# Altium PCB Sense2goL_V1.2.PcbDoc (continued)
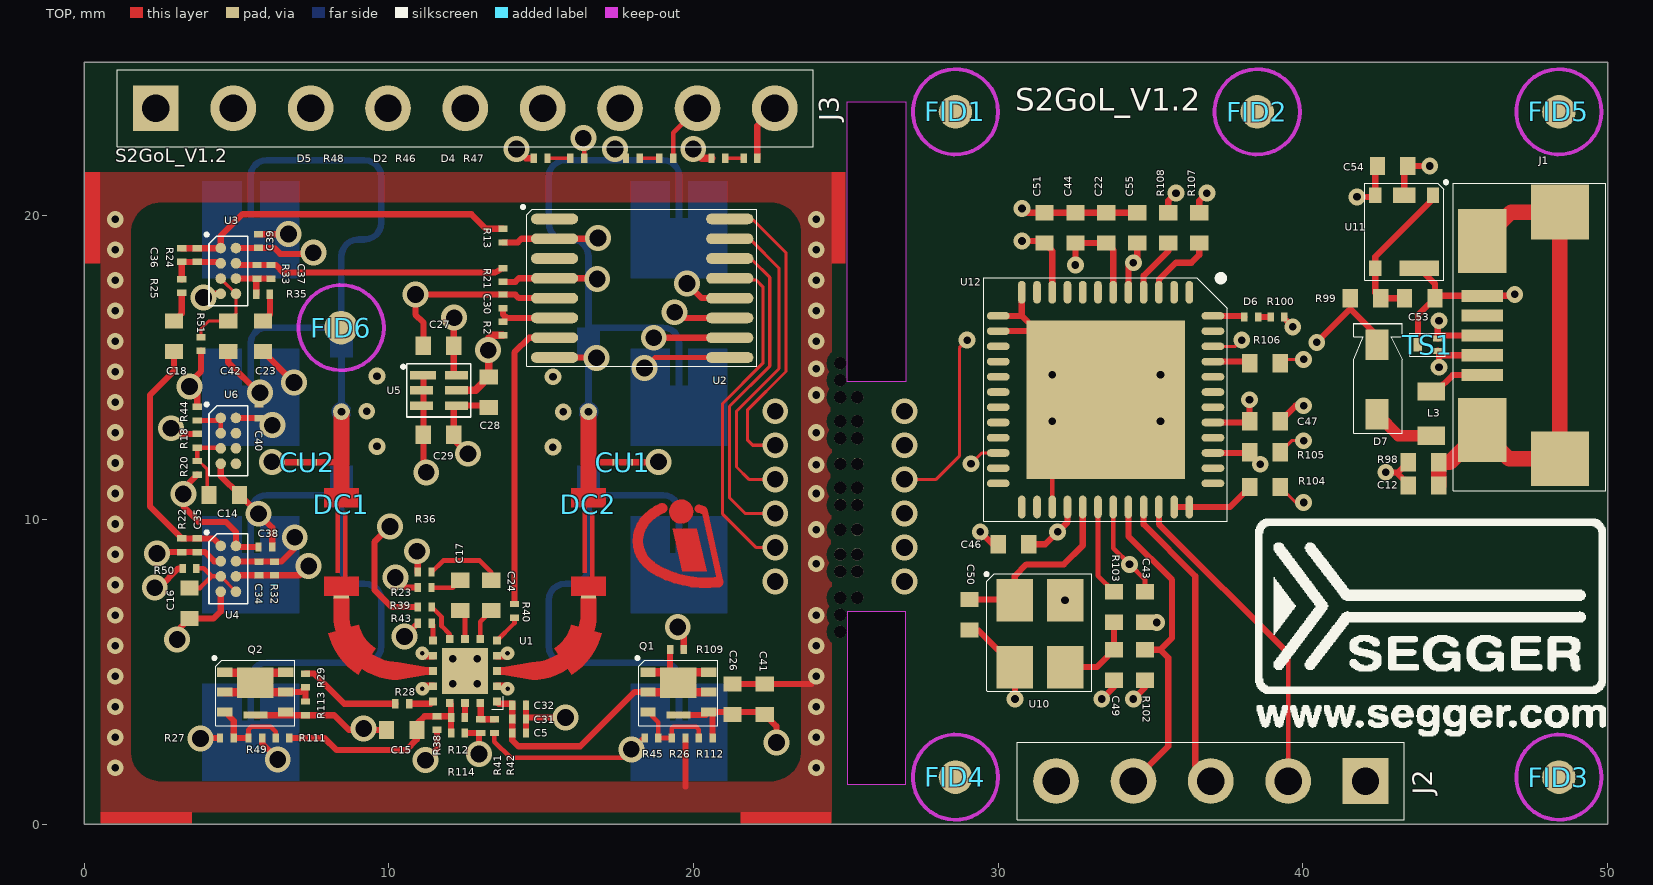
[diagram p0: TOP view]
## Footprints (in the part's own frame and the unit in brackets; to place one, negate y for a bottom-side part, rotate by r counter-clockwise, add the part's x,y. Pads: shape width x height; smd on the part's side, far side on the other; paste and mask are expansions set on the pad)
24GHZ_TRACE_8_78 [mil]
  rect 8x8 smd paste-40 mask+0: 1(0,0) 2(18,0)
  TOP region: -3.87,-4 22,-4 22,4 -3.87,4
0402_DURAC [mm] "0402_DURAC"
  rect 0.5x0.6 smd: 1(-0.5,0) 2(0.5,0)
  body extent -0.5,-0.3 0.5,0.3, height 0.2
0402_R [mm] "resistor 0402 reflow soldering"
  rect 0.5x0.6 smd: 1(-0.5,0) 2(0.5,0)
  body extent -0.5,-0.25 0.5,0.25, height 0.3
C_0201 [mm] "C_0201"
  rect 0.21x0.3 smd mask+0.051: 1(-0.225,0) 2(0.225,0)
  body extent -0.3,-0.15 0.3,0.15, height 0.3
CON_5PIN_254P [mm] "CON_5PIN_254P"
  rect 1.5x1.5 hole 0.9: 1(0,5.08)
  round 1.5 hole 0.9: 2(0,2.54) 3(0,0) 4(0,-2.54) 5(0,-5.08)
  silkscreen extent -1.27,-6.35 1.27,6.35, body extent -1.24,-6.35 1.25,6.35, height 8.54
CONN_9_90DEG_TH [mm] "CONN_9_90DEG_TH"
  rect 1.5x1.5 hole 0.9: 1(0,10.16)
  round 1.5 hole 0.9: 2(0,7.62) 3(0,5.08) 4(0,2.54) 5(0,0) 6(0,-2.54) 7(0,-5.08) 8(0,-7.62) 9(0,-10.16)
  silkscreen extent -1.27,-11.43 1.27,11.43, body extent -1.24,-11.43 1.25,11.43, height 8.54
DC_BLOCK_24GHZ [mm] "DC_BLOCK_24GHZ"
  round 0.55 hole 0.25: 1(3.045,0)
  rect 0.102x0.508 smd paste+0 mask+0: 2(-3.045,0)
  TOP region: -2.25,0.063 -0.093,0.063 -0.093,-0.57 0.535,-0.57 0.535,-0.255 3.045,-0.255 3.045,0.254 0.535,0.254 0.535,0.57 -0.093,0.57 -0.093,0.191 -2.25,0.19
  TOP region: -3.005,-0.57 -2.377,-0.57 -2.377,-0.191 -0.22,-0.191 -0.22,-0.064 -2.377,-0.064 -2.377,0.57 -3.005,0.57
ESD8VOL2B [mm] "ESD8VOL2B"
  rect 0.315x0.2 smd mask+0.051: 1(-0.336,0.2) 2(-0.336,-0.2)
  rect 0.275x0.45 smd mask+0.051: 3(0.313,0)
  silkscreen extent -0.58,-0.38 0.58,0.38, body extent -0.5,-0.3 0.5,0.3, height 0.5
FID_1.1mm [mm]
  round 1.1 smd paste-2.54 mask+1: 1(0,0)
  TOP keep-out circle w0.127: c0,0 r1.4
INF-PG-SCT595V [mm] "INF-PG-SCT595V"
  rect 0.4x0.5 smd: 1(-0.95,-1.2) 3(0.95,-1.2) 4(0.95,1.2)
  rect 0.75x0.5 smd: 2(0,-1.2)
  rect 1.3x0.5 smd: 5(-0.5,1.2)
  silkscreen extent -1.42,-1.68 1.3,1.6, body extent -1.14,-0.76 1.14,0.76, height 0.64
INF-PG-TSSOP-16-8_N [mm] "INF-PG-TSSOP-16-8_N"
  oval 1.55x0.35 smd mask+0.051: 1(-2.875,2.275) 2(-2.875,1.625) 3(-2.875,0.975) 4(-2.875,0.325) 5(-2.875,-0.325) 6(-2.875,-0.975) 7(-2.875,-1.625) 8(-2.875,-2.275) 9(2.875,-2.275) 10(2.875,-1.625) 11(2.875,-0.975) 12(2.875,-0.325) 13(2.875,0.325) 14(2.875,0.975) 15(2.875,1.625) 16(2.875,2.275)
  silkscreen extent -3.96,-2.57 3.76,2.72, body extent -3.05,-2.29 3.05,2.41, height 0.64
INF-PG-VQFN-48-_-5200X5200TP_N [mm] "INF-PG-VQFN-48-_-5200X5200TP_N"
  oval 0.75x0.25 smd mask+0.051: 1(-3.525,2.75) 2(-3.525,2.25) 3(-3.525,1.75) 4(-3.525,1.25) 5(-3.525,0.75) 6(-3.525,0.25) 7(-3.525,-0.25) 8(-3.525,-0.75) 9(-3.525,-1.25) 10(-3.525,-1.75) 11(-3.525,-2.25) 12(-3.525,-2.75) 25(3.525,-2.75) 26(3.525,-2.25) 27(3.525,-1.75) 28(3.525,-1.25) 29(3.525,-0.75) 30(3.525,-0.25) 31(3.525,0.25) 32(3.525,0.75) 33(3.525,1.25) 34(3.525,1.75) 35(3.525,2.25) 36(3.525,2.75)
  oval 0.25x0.75 smd mask+0.051: 13(-2.75,-3.525) 14(-2.25,-3.525) 15(-1.75,-3.525) 16(-1.25,-3.525) 17(-0.75,-3.525) 18(-0.25,-3.525) 19(0.25,-3.525) 20(0.75,-3.525) 21(1.25,-3.525) 22(1.75,-3.525) 23(2.25,-3.525) 24(2.75,-3.525) 37(2.75,3.525) 38(2.25,3.525) 39(1.75,3.525) 40(1.25,3.525) 41(0.75,3.525) 42(0.25,3.525) 43(-0.25,3.525) 44(-0.75,3.525) 45(-1.25,3.525) 46(-1.75,3.525) 47(-2.25,3.525) 48(-2.75,3.525)
  rect 5.2x5.2 smd mask+0.051: 49(0,0)
  silkscreen extent -4.09,-4 4,4, body extent -3.56,-3.56 3.56,3.56, height 0.64
IRLSH2242 [mm] "IRLSH2242"
  rect 0.5x0.3 smd mask+0.051: 1(-0.977,0.678) 2(-0.977,0.028) 3(-0.977,-0.622) 4(1.023,-0.622) 5(1.023,0.028) 6(1.023,0.678)
  rect 1.2x1 smd mask+0.051: 7(0.023,0.328)
  rect 0.785x0.23 smd mask+0.051: 8(0.023,-0.722)
  silkscreen extent -1.37,-1.07 1.32,1.19, body extent -0.98,-0.97 1.02,1, height 0.8
L_0603 [mm] "L_0603"
  rect 0.6x0.9 smd mask+0.051: 1(-0.725,0) 2(0.725,0)
  body extent -0.87,-0.47 0.88,0.48, height 0.85
LED_0201 [mm] "LED_0201"
  rect 0.21x0.3 smd mask+0.051: 1(0.225,0) 2(-0.225,0)
  body extent -0.3,-0.15 0.3,0.15, height 0.13
MICRO_AB_ZX62 [mm] "MICRO_AB_ZX62"
  rect 1.6x2.1 smd: 0(-1.375,-3.075) 0(-1.375,3.125)
  rect 1.9x1.8 smd: 0(1.175,-4.025) 0(1.175,4.075)
  rect 1.35x0.4 smd: 1(-1.375,-1.275) 2(-1.375,-0.625) 3(-1.375,0.025) 4(-1.375,0.675) 5(-1.375,1.325)
  silkscreen extent -2.33,-5.07 2.67,5.03, body extent -2.07,-4.35 3.56,4.45, height 2.75
NX3225SA [mm] "NX3225SA"
  rect 1.2x1.4 smd: 1(-0.825,1.105) 2(-0.825,-1.095) 3(0.825,-1.095) 4(0.825,1.105)
  silkscreen extent -1.8,-1.89 1.69,2.01, body extent -1.25,-1.6 1.25,1.6, height 0.81
OPA2376_DSBGA [mm] "OPA2376_DSBGA"
  round 0.35 smd mask+0.051: A1(-0.25,0.75) A2(0.25,0.75) B1(-0.25,0.25) B2(0.25,0.25) C1(-0.25,-0.25) C2(0.25,-0.25) D1(-0.25,-0.75) D2(0.25,-0.75)
  silkscreen extent -0.76,-1.14 0.64,1.24, body extent -0.61,-1.14 0.64,1.12, height 0.25
R_0201 [mm] "R_0201"
  rect 0.21x0.3 smd mask+0.051: 1(-0.225,0) 2(0.225,0)
  body extent -0.3,-0.15 0.3,0.15, height 0.13
SOD323 [mm] "SOD323"
  rect 1.01x0.75 smd: 1(1.143,0)
  rect 1.01x0.75 smd mask+0.102: 2(-1.143,0)
  silkscreen extent -1.84,-0.77 1.76,0.83, body extent -1.3,-0.67 1.3,0.68, height 1.1
TLV7113333 [mm] "TLV7113333"
  rect 0.85x0.28 smd mask+0.051: 1(-0.525,0.5)
  rect 0.75x0.28 smd mask+0.051: 2(-0.575,0) 3(-0.575,-0.5) 4(0.575,-0.5) 5(0.575,0) 6(0.575,0.5)
  silkscreen extent -1.22,-0.88 1.05,0.87, body extent -0.75,-0.75 0.75,0.75, height 0.8
TSNP-16-9 [mm] "TSNP-16-9"
  rect 0.25x0.25 smd mask+0.051: 1(0,0) 2(0,-0.5) 3(0,-1) 4(0,-1.5) 5(0,-2) 6(0.55,-2.05) 7(1.05,-2.05) 8(1.55,-2.05) 9(2.1,-2) 10(2.1,-1.5) 11(2.1,-1) 12(2.1,-0.5) 13(2.1,0) 14(1.55,0.05) 15(1.05,0.05) 16(0.55,0.05)
  rect 1.5x1.5 smd mask+0.051: 17(1.05,-1)
  silkscreen extent -0.21,-0.17 0.17,0.26, body extent -0.17,-2.22 2.27,0.22, height 0.38

## Part data
C5 C12 C14 C15 C16 C18 C22 C23 C24 C26 C30 C31 C32 C34 C35 C36 C37 C38 C39 C40 C41 C42 C43 C44 C46 C47 C49 C50 C51 C53 C54 C55: "Capacitor", LatestRevisionDate=17-Jul-2002, LatestRevisionNote="Re-released for DXP Platform.", PackageReference=RAD-0.3, Published=8-Jun-2000, Publisher="Altium Limited"
  C18 C23 C24 C34 C35 C36 C37: PackageDescription="Radial Cap, Thru-Hole; 2 Leads; 0.3 in Pin Spacing"
C17: library part Cap, "Capacitor", LatestRevisionDate=17-Jul-2002, LatestRevisionNote="Re-released for DXP Platform.", PackageDescription="Radial Cap, Thru-Hole; 2 Leads; 0.3 in Pin Spacing", PackageReference=RAD-0.3, Published=8-Jun-2000, Publisher="Altium Limited"
C27 C28: library part CAP, "Ceramic Capacitor X5R/X7R >= 10V", Dielectric=X5R, Manufacturer=TDK, Bestellnummer=2309028, Link=http://de.farnell.com/tdk/c1608x5r1a106m080ac/kondensator-mlcc-x5r-10uf-10v/dp/2309028, Price=0.44
C29: library part Cap, "Capacitor", Dielectric=X5R, Manufacturer=TDK, Bestellnummer=2346884RL, Link=http://de.farnell.com/tdk/c1005x5r1e105k050bc/kondensator-mlcc-x5r-1uf-25v-0402/dp/2346884RL?ost=2346884RL, Price=0.07
CU1 CU2: library part 24G_Trace, FootprintBOM=-, Preis=0.0
D2 D4 D5 D6: "Typical INFRARED GaAs LED", LatestRevisionDate=08-Jul-2005, LatestRevisionNote="Mech Layer 1 removed.", PackageReference=LED-0, Published=8-Jun-2000, Publisher="Altium Limited"
D7: library part Diode, "Default Diode", PackageDocument=Sep-1996, Code_JEDEC=DO-214-AB, LatestRevisionDate=17-Jul-2002, LatestRevisionNote="Re-released for DXP Platform.", PackageReference=SMC, Published=8-Jun-2000, Publisher="Altium Limited"
FID1 FID2 FID3 FID4 FID5 FID6: library part FID, FootprintBOM="Fiducal 1.1mm", Notes=Fiducial
J1: library part "USB Micro AB", "USB Micro AB", FootprintBOM=SMD, Hersteller=Hirose, Kleinmengendistributor=Digi-Key, KleinmengendistributorBestellnummer=H11611CT-ND, Preis=1.59
J2: "Header, 5-Pin", LatestRevisionDate=17-Jul-2002, LatestRevisionNote="Re-released for DXP Platform.", Publisher="Altium Limited"
J3: "Header, 9-Pin", LatestRevisionDate=17-Jul-2002, LatestRevisionNote="Re-released for DXP Platform.", Publisher="Altium Limited"
L3: library part "Ferrite Bead"
Q2: library part IRLHS8242PbF, "IRFHS8242PbF", ComponentLink1Description="Manufacturer Link", ComponentLink1URL=http://www.irf.com/, ComponentLink2Description=Datasheet, ComponentLink2URL=http://www.irf.com/product-info/datasheets/data/irlr120n.pdf, DatasheetVersion=May-1998, LatestRevisionDate=17-Jul-2002, LatestRevisionNote="Re-released for DXP Platform.", Note="Pin 2 is electrically connected to pin 4.", PackageDescription="TO, Thru-Hole, Vertical, Heatsink Mounted; 3 In-Line Leads; Pitch 2.28 mm", PackageReference=TO-251AA, Published=8-Jun-2000, Publisher="Altium Limited"
R2 R12 R13 R18 R20 R21 R22 R23 R24 R25 R26 R32 R33 R35 R36 R41 R44 R45 R46 R47 R48 R50 R51 R98 R99 R100 R102 R103 R104 R105 R106 R107 R108: "Resistor", LatestRevisionDate=17-Jul-2002, LatestRevisionNote="Re-released for DXP Platform.", PackageReference=AXIAL-0.3, Published=8-Jun-2000, Publisher="Altium Limited"
  R22 R23 R24 R25 R32 R33 R35 R36: PackageDescription="Axial Device, Thru-Hole; 2 Leads; 0.3 in Pin Spacing"
R27 R28 R29 R38 R39 R40 R42 R43 R49 R109 R111 R112 R113 R114: library part Res1, "Resistor", LatestRevisionDate=17-Jul-2002, LatestRevisionNote="Re-released for DXP Platform.", PackageReference=AXIAL-0.3, Published=8-Jun-2000, Publisher="Altium Limited"
TS1: library part "Diode dual", "TVS Diode dual", FootprintBOM=TSLP-3-1, Hersteller=Infineon, Kleinmengendistributor=Digi-Key, KleinmengendistributorBestellnummer=ESD8V0L2B-03LE6327INCT-ND, Preis=0.56
U2: library part "XMC1302-T016F-0016 AA", code_DK=XMC1302T016X0032ABXUMA1CT-ND
U5: "Dual Output High PSRR LDO, 200 mA, Fixed 3.3 V Output, 2 to 5.5 V Input, 6-pin WSON (DSE), -40 to 125 degC, Green (RoHS & no Sb/Br)", Manufacturer="Texas Instruments", Supplier Part Number 1=296-28766-2-ND, ComponentLink1Description="Manufacturer URL", ComponentLink1URL=http://www.ti.com/, ComponentLink2Description=Datasheet, ComponentLink2URL=http://www.ti.com/general/docs/lit/getliterature.tsp?genericPartNumber=TLV7113333D&fileType=pdf, ComponentLink3Description="Package Specification", ComponentLink3URL=http://www.ti.com/litv/pdf/mpds287, DatasheetVersion=SBVS142A, Eco-Plan="Green (RoHS & no Sb/Br)", Fixed Output Options(V)=3.3, Iout(Max)(A)=0.2, Iq(Typ)(mA)=0.03, Mounting Technology="Surface Mount", PackageDescription="6-Pin Plastic Small Outline, Body 1.5 x 1.5 mm, Pitch 0.5 mm", PackageReference=DSE6, PackageVersion=4207810/A, PartNumber=TLV7113333DDSET, SubFamily="Dual Channel LDO", Supplier 1=Digi-Key, Supplier 2=Digi-Key, Supplier 3=Digi-Key, Supplier 4=Mouser, Supplier Part Number 2=296-28766-1-ND, Supplier Part Number 3=296-28766-6-ND, Supplier Part Number 4=595-TLV7113333DDSET, Vdo(Typ)(mV)=150, Vin(Max)(V)=5.5, Vin(Min)(V)=2
U10: library part NX3225SA_12MHZ, code_DK=644-1128-2-ND
U12: library part XMC4200_VQFN48, code_DK=XMC4200Q48K256ABXUMA1CT-ND
DC1 DC2: FootprintBOM=-, Preis=0.00
Q1: ComponentLink1Description="Manufacturer Link", ComponentLink1URL=http://www.irf.com/, ComponentLink2Description=Datasheet, ComponentLink2URL=http://www.irf.com/product-info/datasheets/data/irlr120n.pdf, DatasheetVersion=May-1998, LatestRevisionDate=17-Jul-2002, LatestRevisionNote="Re-released for DXP Platform.", Note="Pin 2 is electrically connected to pin 4.", PackageDescription="TO, Thru-Hole, Vertical, Heatsink Mounted; 3 In-Line Leads; Pitch 2.28 mm", PackageReference=TO-251AA, Published=8-Jun-2000, Publisher="Altium Limited"
U3 U4 U6: ComponentLink1Description="Manufacturer Link", ComponentLink1URL=http://www.ti.com/, ComponentLink2Description=Datasheet, ComponentLink2URL=http://www-s.ti.com/sc/ds/opa2544.pdf, DatasheetVersion=1996~1997, LatestRevisionDate=17-Jul-2002, LatestRevisionNote="Re-released for DXP Platform.", PackageDescription="Oval Flange Mount; 8 Leads; Pin Circle Dia. 12.7 mm; Lead Dia. 1.07 mm (max)", PackageReference=ZZ030, PackageVersion=revC, Published=8-Jun-2000, Publisher="Altium Limited"
U11: code_DK=NN, code_MO=726-IFX54211MBV33HTM

## Free pads (board coordinates)
  round 0.4 hole 0.4: ""(24.816,6.325) ""(24.816,6.883) ""(24.816,7.442) ""(24.816,8.306) ""(24.816,8.865) ""(24.816,9.672) ""(24.816,10.49) ""(24.816,11.049) ""(24.816,11.836) ""(24.816,12.675) ""(24.816,13.233) ""(24.816,14.021) ""(24.816,14.58) ""(24.816,15.138) ""(25.375,7.442) ""(25.375,8.306) ""(25.375,8.865) ""(25.375,9.677) ""(25.375,10.49) ""(25.375,11.049) ""(25.375,11.836) ""(25.375,12.675) ""(25.375,13.233) ""(25.375,14.021)

## Via types
v1: diameter 0.55, hole 0.25, TOP to BOTTOM, 82 vias
v2: diameter 0.85, hole 0.55, TOP to L4, 58 vias
v3: diameter 0.45, hole 0.15, TOP to BOTTOM, 4 vias

## Nets (pads, with @x,y where several pads share a name; then routed paths per layer and width w, separated by ;. In a path a pad name is that pad's centre, name@x,y a point inside that pad or via, vN(x,y) a via of type N, cw(c..) or ccw(c..) an arc to the next point about the centre after c; other vN are vias at no path point)
1V65: R44.2 R50.1 R51.1 | length 11.3
  TOP w0.203: v2(2.311,7.772) 2.459,7.772 3.09,8.403 R50.1 ; R44.2 3.708,14.122 v2(3.454,14.376) 3.454,14.503 3.835,14.884 R51.1
  L3 w0.203: v2(2.311,7.772) 2.311,8.042 1.734,8.619 1.734,13.469 2.642,14.376 v2(3.454,14.376)
3V3: C26.2 C27.1 C38.1 C39.1 C40.1 C41.2 Q1.4 Q1.8 R20.2 R41.1 R43.2 R109.1 R112.1 R114.1 U3.A2 U4.A2 U5.6 U6.A2 | length 17.9
  TOP w0.203: R20.2 3.251,11.023 v2(3.251,10.846) 3.251,10.439 3.759,9.931 4.648,9.931 4.978,9.601 U4.A2 5.013,9.107 C38.1 ; U6.A2 4.984,13.339 C40.1 5.94,13.339 v2(6.172,13.106) ; U3.A2 4.985,18.927 C39.1 6.235,18.927 6.435,18.727 7.474,18.727 v2(7.518,18.771) ; v2(10.516,6.169) R43.2 ; v2(12.141,16.637) 12.131,16.627 C27.1 12.131,14.836 U5.6 ; R114.1 R41.1@13.01,2.997 ; v2(12.954,2.311) 12.954,2.941 R41.1@13.01,2.997 ; R41.1 R41.1@13.01,2.997 ; v2(19.482,6.477) 19.681,6.277 R109.1 ; Q1.8 20.402,3.593 Q1.4 ; R112.1 20.626,3.57 Q1.4 ; v2(22.721,2.692) 22.721,3.224 C41.2 22.252,3.693 Q1.4
+VCC_DBGUP: C46.2 C47.2 C51.2 C54.2 C55.2 J2.1 R100.1 R102.1 U11.3 U12.5 U12.10 U12.28 U12.41 | length 11.2
  TOP w0.203: v1(30.785,19.152) 31.453,19.152 31.778,18.827 U12.10 ; C46.2 31.547,9.195 v1(31.953,9.601) 32.278,9.926 U12.28 ; U12.5 34.278,18.44 v1(34.442,18.44) 34.569,18.44 C55.2 ; v1(34.442,4.115) 34.823,4.496 R102.1 ; U12.41 38.222,13.195 38.252,13.225 v1(38.252,13.945) ; R100.1 39.395,16.612 v1(39.675,16.332) ; v1(41.783,20.599) 42.325,20.599 U11.3 42.382,21.546 C54.2
+VCC_DBGUP_EXT: C29.1 D7.2 J3.3 R99.2 U5.1 U5.2 U5.3 | length 50.7
  TOP w0.203: U5.1 11.131,14.736 C29.1 11.131,11.653 v2(11.227,11.557) ; v1@40.64,16.002 41.562,16.924 42.443,16.043 D7.2
  L3 w0.102: v2(22.682,13.564) 22.73,13.611 26.876,13.611 v2(26.924,13.564)
  L3 w0.203: v2(26.924,13.564) 29.616,13.564 29.997,13.945 36.957,13.945 38.786,15.773 40.411,15.773 v1(40.462,15.824)
  L4 w0.203: J3.3 8.915,22.023 8.915,17.577 11.227,15.265 v2(11.227,11.557) 11.271,11.513 15.983,11.513 18.034,13.564 v2(22.682,13.564)
DBG_RESET: J2.4 R102.2 U12.32 | length 10.8
  TOP w0.203: U12.32 34.278,9.461 35.712,8.026 35.712,6.121 35.323,5.732 ; J2.4 35.585,2.565 35.585,5.47 35.323,5.732 ; R102.2 35.323,5.732
DBG_TCK: J2.2 U12.34 | length 10.8
  TOP w0.152: J2.2 39.522,5.613
  TOP w0.203: U12.34 35.278,9.858 39.522,5.613
DBG_TMS: J2.3 U12.33 | length 9.9
  TOP w0.203: U12.33 34.778,9.85 36.474,8.153 36.474,1.93 J2.3
DIV_OUT: J3.1 R39.1 | length 24.9
  TOP w0.203: v2(10.033,9.779) 9.525,9.271 9.525,7.696 10.084,7.137 R39.1
  L3 w0.203: J3.1 2.349,22.34 3.556,21.133 7.62,21.133 8.28,20.472 8.28,17.856 7.713,17.289 7.713,10.219 8.153,9.779 v2(10.033,9.779) v2@10.113,9.859
GND: C5.2 C12.2 C14.2 C15.1 C16.1 C22.2 C26.1 C27.2 C28.2 C29.2 C30.2 C31.2 C32.2 C38.2 C39.2 C40.2 C41.1 C42.1 C43.1 C44.1 C46.1 C47.1 C49.2 C50.2 C51.1 C53.2 C54.1 C55.1 CU1.2 CU2.2 J1.5 J2.5 J3.2 Q2.4 Q2.8 R18.1 R26.1 R27.1 R98.1 R113.1 TS1.3 U1.2 U1.4 U1.10 U1.12 U1.17 U2.5 U3.D1 U4.D1 U5.4 U6.D1 U10.2 U10.4 U11.2 U11.5 U12.12 U12.13 U12.14 U12.27 U12.49 | length 71.1
  TOP w0.152: U12.27 31.778,11.326 31.775,11.328 31.775,12.192 U12.49
  TOP w0.203: v2(2.845,13.005) 3.03,12.819 R18.1 ; v2(3.048,6.071) 3.048,6.354 C16.1 4.246,6.76 4.479,6.993 U4.D1 ; v2(3.81,2.819) 3.826,2.836 R27.1 ; v2(3.912,17.297) 4.035,17.42 U3.D1 ; U6.D1 4.479,11.435 C14.2 6.169,9.745 C38.2 ; C42.1 4.724,15.164 5.74,14.148 C40.2 ; Q2.8 5.622,3.585 R113.1 8.201,3.585 8.686,3.099 C15.1 ; C39.2 6.702,19.377 v2(6.706,19.38) ; v2(6.156,11.904) 6.172,11.887 CU2.2 ; C27.2 11.131,16.479 10.871,16.739 v2(10.871,17.399) 11.728,17.399 11.731,17.395 C30.2 14.151,17.395 14.27,17.277 U2.5 ; U1.17@12.087,4.626 U1.17 ; U1.17@12.094,5.439 U1.17 ; v2(12.598,12.167) 12.131,12.634 C29.2 12.131,13.663 U5.4 13.222,13.749 C28.2 ; U1.17@12.906,4.626 U1.17 ; U1.17@12.997,5.535 U1.17 ; C5.2@14.5,3.048 C31.2@14.5,3.505 ; C32.2@14.5,3.962 C31.2@14.5,3.505 ; v2(15.799,3.505) C31.2@14.5,3.505 ; CU1.2 18.83,11.887 v2(18.847,11.904) ; 19.737,1.246 R26.1 ; C26.1 C41.1 23.864,4.611 ; C50.2 29.327,6.383 30.556,5.154 v1(30.556,4.115) ; v1(29.413,9.601) 29.82,9.195 C46.1 ; U12.14 U12.49@31.278,16.195 ; U12.13 30.778,16.695 ; U12.12 30.778,16.695 ; v1(30.785,20.218) 30.785,20.083 C51.1 C44.1 C22.2 C55.1 ; v1(33.401,4.115) 33.807,4.521 C49.2 ; U12.49 U12.49@31.278,16.195 ; C47.1 39.768,13.741 v1(40.03,13.741) ; v1(42.723,11.557) 43.086,11.557 43.112,11.532 ; U11.2 43.332,21.496 C54.1 v1(44.171,21.615) ; C12.2 43.467,11.176 43.112,11.532 ; R98.1 43.112,11.532 ; TS1.3 43.781,16.713 C53.2 ; U11.5 44.34,17.748 C53.2 ; v1(46.965,17.399) 46.918,17.352 J1.5 44.421,17.352 C53.2 ; 30.778,16.695 U12.49@31.278,16.195
  TOP w0.25: v3(11.097,5.618) 11.18,5.535 U1.10 ; v3(11.1,4.451) 11.184,4.535 U1.12 ; U1.2 13.816,4.535 v3(13.896,4.455) ; U1.4 13.813,5.535 v3(13.894,5.616)
  L3 w0.203: v2(22.682,7.976) 24.028,7.976 24.13,7.874 26.822,7.874 v2(26.924,7.976)
  other v1: 1.016,1.863 24.028,1.863 1.016,2.863 24.028,2.863 1.016,3.863 24.028,3.863 12.09,4.623 12.903,4.623 1.016,4.863 24.028,4.863 12.09,5.436 12.903,5.436 1.016,5.863 24.028,5.863 35.204,6.629 1.016,6.863 24.028,6.863 32.197,7.363 1.016,7.863 24.028,8.56 1.016,8.863 24.028,9.677 1.016,9.863 1.016,10.863 24.028,10.863 24.028,11.811 1.016,11.863 15.385,12.388 9.607,12.41 1.016,12.863 24.028,12.863 31.775,13.233 35.331,13.233 15.723,13.542 9.271,13.564 1.016,13.863 24.028,14.097 9.609,14.718 15.387,14.696 31.775,14.757 35.331,14.757 1.016,14.863 24.028,14.961 1.016,15.863 24.028,15.863 1.016,16.863 24.028,16.863 1.016,17.863 24.028,17.863 1.016,18.863 24.028,18.863 1.016,19.863 24.028,19.863
  other v2: 9.17,3.15 5.715,10.199 5.766,14.173
IF_I_HG: J3.5 R13.2 U2.2 | length 10.6
  TOP w0.203: R13.2 14.228,19.104 14.35,19.227 U2.2 16.84,19.227 v2(16.866,19.253)
  L3 w0.203: J3.5 12.509,21.222 13.437,20.295 15.824,20.295 v2(16.866,19.253)
IF_Q_HG: J3.6 R21.2 U2.4 | length 10.1
  TOP w0.203: R21.2 14.151,17.809 14.27,17.927 U2.4 16.82,17.927 v2(16.84,17.907)
  L3 w0.203: J3.6 15.049,22.213 17.551,19.71 17.551,18.517 16.942,17.907 v2(16.84,17.907)
IFI: C17.1 U1.7 | length 1
  TOP w0.152: C17.1 12.497,6.866 U1.7
IFQ: C24.1 U1.6 | length 1.1
  TOP w0.152: U1.6 12.997,6.655 C24.1
NetC5_1: C5.1 C31.1 C32.1 Q1.1 Q1.2 Q1.5 Q1.6 Q1.7 R109.2 U1.1 | length 12.3
  TOP w0.203: U1.1 ccw(c13.62,4.035) 13.62,3.962 14.05,3.962 14.05,2.765 14.249,2.565 16.281,2.565 18.059,4.343 Q1.2 ; Q1.7@19.152,4.993 19.231,5.072 R109.2
  TOP w0.279: Q1.2 19.202,4.343 Q1.7 ; Q1.1 19.152,4.993 Q1.7 ; Q1.5 19.802,4.343 Q1.7 ; Q1.6 19.852,4.993 Q1.7
NetC12_1: C12.1 J1.0 R98.2 | length 16.6
  TOP w0.508: C12.1 R98.2 44.829,11.887 J1.0@45.894,12.952 ; J1.0@45.894,12.882 46.774,12.002 48.444,12.002 48.444,20.102 46.844,20.102 J1.0@45.894,19.152
NetC14_1: C14.1 R18.2 R20.1 U6.C1 | length 2.5
  TOP w0.102: R20.1 3.765,11.93 4.036,11.659 4.036,10.878 C14.1
  TOP w0.152: R20.1 R18.2 4.454,12.369 U6.C1
NetC15_2: C15.2 R12.1 R38.2 R111.2 R114.2 U1.14 | length 7.3
  TOP w0.203: R111.2 7.883,2.836 8.28,2.438 10.566,2.438 10.919,2.791 C15.2 10.919,3.299 11.172,3.552 R38.2 11.996,3.552 cw(c11.996,3.505) R12.1 ; U1.14 cw(c11.997,3.939) 12.043,3.939 R12.1 ; R114.2 R12.1
NetC16_2: C16.2 R50.2 U4.C1 U4.D2 | length 2.5
  TOP w0.102: U4.C1 U4.D2@4.978,7.642
  TOP w0.152: C16.2 3.796,7.76 4.177,8.142 ; R50.2 3.916,8.403 4.177,8.142 ; U4.C1 4.177,8.142
NetC17_2: C17.2 R23.1 | length 1
  TOP w0.152: R23.1 12.098,7.772 C17.2
NetC18_1: C18.1 C35.2 R22.2 U4.A1 | length 8.3
  TOP w0.203: C18.1 2.946,14.888 2.159,14.101 2.159,10.432 R22.2 C35.2 4.23,9.39 U4.A1
NetC18_2: C18.2 R25.1 | length 1
  TOP w0.203: C18.2 3.2,16.777 3.2,16.904 R25.1
NetC22_1: C22.1 C43.2 C44.2 U12.6 U12.31 | length 18.1
  TOP w0.152: U12.31 33.778,9.072 v1(34.315,8.534) 34.823,8.026 C43.2
  TOP w0.203: v1(32.537,18.364) C44.2 C22.1 33.778,18.859 U12.6
  L4 w0.203: v1(32.537,18.364) 32.537,8.788 32.791,8.534 v1(34.315,8.534)
NetC23_1: C23.1 C34.2 R32.2 U4.B2 | length 9
  TOP w0.203: U4.B2 4.991,8.628 C34.2 R32.2 6.469,8.628 6.909,9.068 v2(6.909,9.423) ; C23.1 v2(6.883,14.507)
  L3 w0.203: v2(6.883,14.507) 6.909,14.482 v2(6.909,9.423)
NetC23_2: C23.2 R35.1 | length 1
  TOP w0.203: C23.2 6.092,16.748 R35.1
NetC24_2: C24.2 R36.1 | length 2.5
  TOP w0.152: R36.1 11.778,8.661 12.979,8.661 13.36,8.28 C24.2
NetC30_1: C30.1 R2.2 U2.6 | length 2.1
  TOP w0.203: R2.2 13.862,16.627 ; C30.1 13.741,16.748 13.862,16.627 ; U2.6 13.862,16.627
NetC34_1: C34.1 R32.1 R36.2 U4.C2 | length 7
  TOP w0.203: U4.C2 5.015,8.178 C34.1 R32.1 7.061,8.178 v2(7.366,8.484) ; v2(10.922,8.966) 10.947,8.941 R36.2
  L3 w0.203: v2(7.366,8.484) 7.849,8.966 v2(10.922,8.966)
NetC35_1: C35.1 R22.1 R23.2 U4.B1 | length 11.5
  TOP w0.203: v2(2.388,8.89) 2.438,8.94 R22.1 C35.1 3.963,8.94 4.262,8.641 U4.B1 ; v2(10.211,8.103) 10.541,7.772 R23.2
  L3 w0.203: v2(2.388,8.89) 3.48,7.798 9.906,7.798 v2(10.211,8.103)
NetC36_1: C36.1 R24.1 R25.2 U3.B1 | length 1.9
  TOP w0.203: R25.2 C36.1 R24.1 4.434,18.465 U3.B1
NetC36_2: C36.2 R13.1 R24.2 U3.A1 | length 11.4
  TOP w0.203: C36.2 R24.2 4.473,18.915 U3.A1 4.479,19.322 5.19,20.034 12.707,20.034 13.186,19.554 R13.1
NetC37_1: C37.1 R33.1 R35.2 U3.C2 | length 1.7
  TOP w0.203: U3.C2 6.121,17.921 C37.1 ; R35.2 5.642,17.89 R33.1
NetC37_2: C37.2 R21.1 R33.2 U3.B2 | length 8.9
  TOP w0.203: U3.B2 5.032,18.366 R33.2 C37.2 6.287,18.366 6.536,18.117 13.471,18.117 R21.1
NetC42_2: C42.2 R51.2 U3.C1 U3.D2 | length 3
  TOP w0.102: R51.2 3.835,16.281 4.077,16.523 C42.2 4.978,16.777 U3.D2 U3.C1@4.5,17.899
NetC49_1: C49.1 R103.1 U10.3 | length 2.8
  TOP w0.203: U10.3 33.238,5.163 C49.1 R103.1
NetC50_1: C50.1 U10.1 U12.29 | length 6.2
  TOP w0.203: C50.1 30.527,7.383 U10.1 30.547,8.153 30.928,8.534 32.156,8.534 32.778,9.156 U12.29
NetC53_1: C53.1 R99.1 U11.1 U11.4 | length 5
  TOP w0.203: C53.1 R99.1 42.382,17.452 U11.4 42.382,18.633 44.282,20.533 U11.1
NetD2_2: D2.2 R46.1 | length 0.6
  TOP w0.102: D2.2 R46.1
NetD4_2: D4.2 R47.1 | length 0.6
  TOP w0.102: D4.2 R47.1
NetD5_2: D5.2 R48.1 | length 0.8
  TOP w0.102: D5.2 R48.1
NetD6_1: D6.1 R100.2 | length 0.4
  TOP w0.203: D6.1 38.937,16.654 R100.2
NetD6_2: D6.2 U12.48 | length 1
  TOP w0.203: U12.48 38.045,16.695 D6.2
NetD7_1: D7.1 L3.1 | length 2.1
  TOP w0.381: D7.1 43.143,12.762 L3.1
NetDC1_2: DC1.2 U1.11 | length 0.4
  TOP w0.25: 11.074,5.035 U1.11
NetDC2_2: DC2.2 U1.3 | length 0.4
  TOP w0.25: U1.3 13.92,5.035
NetJ1_1: J1.1 L3.2 | length 1.9
  TOP w0.203: L3.2 44.389,14.212 44.929,14.752 J1.1
NetQ1_3: Q1.3 R26.2 R45.1 R112.2 | length 3
  TOP w0.152: Q1.3 18.848,3.348 R45.1 R26.2 19.287,3.158 19.329,3.2 20.091,3.2 20.176,3.116 R112.2
NetQ2_1: Q2.1 Q2.2 Q2.5 Q2.6 Q2.7 R29.1 R113.2 | length 5.7
  TOP w0.203: Q2.6@6.58,5.014 Q2.6@6.613,4.981 ; Q2.5 7.108,4.343 R29.1 R113.2@7.264,4.06
  TOP w0.279: Q2.2@4.613,4.331 5.313,4.331 Q2.7@5.613,4.631 ; Q2.1@4.613,4.981 5.263,4.981 Q2.7@5.613,4.631 ; Q2.5@6.613,4.331 5.913,4.331 Q2.7@5.613,4.631 ; Q2.6@6.613,4.981 5.963,4.981 Q2.7@5.613,4.631
NetQ2_3: Q2.3 R27.2 R49.2 R111.1 | length 2.9
  TOP w0.152: R49.2 5.388,3.102 5.486,3.2 6.121,3.2 6.279,3.043 R111.1
  TOP w0.203: Q2.3 4.905,3.402 R27.2 R49.2
NetR12_2: R12.2 U1.15 | length 0.5
  TOP w0.203: R12.2 12.493,3.985 U1.15
NetR28_1: R28.1 R29.2 | length 3.4
  TOP w0.203: R29.2 7.547,4.949 8.534,3.962 R28.1
NetR28_2: R28.2 U1.13 | length 0.8
  TOP w0.203: R28.2 11.374,3.962 U1.13
NetR39_2: R39.2 U1.8 | length 1.3
  TOP w0.152: R39.2 11.41,7.137 11.726,6.821 11.726,6.515 11.997,6.244 U1.8
NetR40_2: R40.2 U1.5 | length 1
  TOP w0.152: U1.5 14.122,6.611 R40.2
NetR41_2: R41.2 R42.2 U1.16 | length 1
  TOP w0.203: U1.16 13.014,3.985 R41.2 R42.2
NetR43_1: R43.1 U1.9 | length 0.6
  TOP w0.152: R43.1 11.447,6.558 U1.9
NetR44_1: R44.1 U6.A1 U6.B1 | length 1.3
  TOP w0.152: R44.1 4.393,13.258 U6.A1 U6.B1
NetR48_2: R48.2 U2.8 | length 10.3
  TOP w0.152: R48.2 v2@16.408,22.504
  TOP w0.203: U2.8 16.804,15.327 v2(16.815,15.316)
  TOP w0.254: v2(16.383,22.53) v2@16.408,22.504
  L3 w0.203: v2(16.383,22.53) 16.383,21.946 17.907,20.422 17.907,17.653 16.815,16.561 v2(16.815,15.316)
NetR103_2: R103.2 U12.30 | length 3
  TOP w0.152: U12.30 33.278,8.167 R103.2
NetR104_1: R104.1 U12.35 U12.36 | length 2.8
  TOP w0.203: U12.35 U12.36 37.606,10.42 R104.1
NetR106_1: R106.1 U12.45 | length 1.2
  TOP w0.203: U12.45 38.204,15.195 R106.1
NetR107_1: R107.1 U12.3 | length 2.5
  TOP w0.203: U12.3 35.278,17.879 35.839,18.44 36.347,18.44 36.601,18.694 R107.1
NetR108_1: R108.1 U12.4 | length 1.9
  TOP w0.203: U12.4 34.778,18.014 35.585,18.821 R108.1
OUT1: J3.8 R46.2 U2.10 | length 12.6
  TOP w0.152: R46.2 19.329,22.71 J3.8
  TOP w0.203: v2(18.694,15.977) U2.10
  L3 w0.203: v2(18.694,15.977) 18.694,22.075 J3.8
OUT2: J3.9 R47.2 U2.12 | length 10.4
  TOP w0.203: v2(19.787,17.755) 20.264,17.277 U2.12 ; R47.2 22.094,22.935 J3.9
  L3 w0.203: v2(19.787,17.755) 22.669,20.637 J3.9
PWM1: J3.7 R42.1 R45.2 U2.9 | length 31.1
  TOP w0.152: R42.1 13.462,2.718 13.995,2.184 17.678,2.184 v2(17.958,2.464) 18.33,2.836 R45.2 ; J3.7 J3.7@18.223,23.509 ; v2(18.39,14.986) 18.731,15.327 U2.9
  L3 w0.152: J3.7 18.339,22.76 18.339,16.509 18.066,16.237 18.066,15.309 v2(18.39,14.986) 17.958,14.554 v2(17.958,2.464)
PWM2: R49.1 U2.11 | length 33
  TOP w0.203: R49.1 5.838,2.645 v2(6.35,2.134) ; v2(19.38,16.815) 19.568,16.627 U2.11
  L3 w0.203: v2(6.35,2.134) 6.35,1.626 6.756,1.219 19.761,1.219 20.142,1.6 20.142,16.053 v2(19.38,16.815)
RF_RX: CU1.1 DC2.1 | length 0.8
  TOP w0.203: 16.637,11.887 CU1.1
RF_TX: CU2.1 DC1.1 | length 0.9
  TOP w0.203: CU2.1 8.458,11.887
SWCLK_B: R105.1 U12.22 U12.39 | length 12.3
  TOP w0.102: v1(29.108,11.836) 29.467,12.195 U12.22
  TOP w0.203: U12.39 38.238,12.195 v1(38.608,11.824)
  L3 w0.102: v1(29.108,11.836) 38.596,11.836 v1(38.608,11.824)
SWDCLK: R105.2 U2.14 | length 30.9
  TOP w0.102: U2.14@21.188,18.526 21.936,18.526 22.504,17.958 22.504,15.044 21.184,13.723 21.184,10.719 21.692,10.211 v2(22.682,10.211) ; R105.2 39.641,12.598 v1(40.03,12.598)
  L3 w0.102: v2@22.73,10.163 v2(22.682,10.211) 24.181,10.211 24.308,10.084 26.797,10.084 v2(26.924,10.211) 38.405,10.211 40.03,11.836 v1(40.03,12.598)
SWDIO: R104.2 U2.13 | length 30.4
  TOP w0.102: U2.13@21.188,17.876 22.052,17.876 22.276,17.653 22.276,15.138 20.955,13.818 20.955,10.185 22.047,9.093 v2(22.682,9.093) ; R104.2 39.768,10.566 v1(40.03,10.566)
  L3 w0.102: v2(22.682,9.093) 24.085,9.093 24.237,9.246 26.772,9.246 v2(26.924,9.093) 38.557,9.093 v1(40.03,10.566)
TX_ON: R40.1 U2.7 | length 9.8
  TOP w0.203: R40.1 14.122,15.494 14.606,15.977 U2.7
UART-RX: U2.15 U12.46 | length 31
  TOP w0.102: U2.15@21.188,19.176 21.895,19.176 22.809,18.263 22.809,14.961 21.412,13.564 21.412,11.735 21.819,11.328 v2(22.682,11.328) ; v2(26.924,11.328) 27.965,11.328 28.727,12.09 28.727,15.646 v1(28.981,15.9) ; U12.46 37.793,15.695 v1(37.998,15.9)
  L3 w0.102: v2(22.682,11.328) 22.712,11.358 24.216,11.358 24.288,11.43 26.822,11.43 v2(26.924,11.328) ; v1(28.981,15.9) v1(37.998,15.9)
UART-TX: R106.2 U2.16 | length 29.8
  TOP w0.102: U2.16@21.188,19.826 21.982,19.826 23.038,18.771 23.038,14.866 21.768,13.596 21.768,12.624 21.946,12.446 v2(22.682,12.446) ; R106.2 39.387,15.265 v1(40.03,15.265)
  L3 w0.102: v2(22.682,12.446) 22.831,12.297 26.775,12.297 v2(26.924,12.446) 37.846,12.446 40.03,14.63 v1(40.03,15.265)
USB_DM_2: J1.2 R107.2 TS1.1 | length 13.3
  TOP w0.203: R107.2 36.601,20.472 v1(36.855,20.726) ; TS1.1 TS1.1@44.475,15.503 ; v1(44.475,15.011) TS1.1@44.475,15.503 ; J1.2 44.576,15.402 TS1.1@44.475,15.503
  L3 w0.203: v1(36.855,20.726) 37.236,20.726 39.776,18.186 39.776,17.222 41.987,15.011 v1(44.475,15.011)
USB_DP_3: J1.3 R108.2 TS1.2 | length 14.1
  TOP w0.203: R108.2 35.585,20.472 v1(35.839,20.726) ; v1(44.475,16.535) 44.431,16.491 TS1.2 44.535,16.052 J1.3
  L3 w0.203: v1(35.839,20.726) 35.839,21.107 36.22,21.488 38.252,21.488 43.205,16.535 v1(44.475,16.535)
V_TUNE: J3.4 R38.1 | length 23.4
  TOP w0.203: v2(11.201,2.108) 11.582,2.489 R38.1
  L3 w0.203: J3.4 10.113,23.366 10.113,14.509 10.111,14.507 10.111,11.149 11.582,9.677 11.582,2.489 v2(11.201,2.108)
VDD_3V3: C28.1 D2.1 D4.1 D5.1 R2.1 U5.5 | length 18.7
  TOP w0.203: v2(14.189,22.174) 14.493,21.869 D5.1
  TOP w0.254: U5.5 12.842,14.249 C28.1 13.282,15.949 13.389,16.056 R2.1 ; v2@19.99,22.149 20.269,21.869 D4.1
  L4 w0.254: v2(13.259,15.57) 13.259,21.244 v2(14.189,22.174) 14.951,21.412 16.662,21.412 v2(17.424,22.174) 18.186,21.412 19.228,21.412 v2(19.99,22.174) ; v2@19.99,21.92 v2@19.99,22.149
pads on no net: FID1.1 FID2.1 FID3.1 FID4.1 FID5.1 FID6.1 J1.4 U2.1 U2.3 U6.B2 U6.C2 U6.D2 U12.1 U12.2 U12.7 U12.8 U12.9 U12.11 U12.15 U12.16 U12.17 U12.18 U12.19 U12.20 U12.21 U12.23 U12.24 U12.25 U12.26 U12.37 U12.38 U12.40 U12.42 U12.43 U12.44 U12.47
copper on no net: | length 9
  TOP w0.2: 20.365,10.319 20.865,8.019
  TOP w0.254: 19.865,10.269 ccw(c19.596,10.269) 19.865,10.269
  TOP w0.28: 20.165,10.369 20.315,10.319
  TOP w0.35: 18.365,9.919 cw(c19.645,8.883) 18.967,10.383 ; 18.371,9.913 ccw(c19.193,9.309) 18.615,8.469 ; 18.615,8.459 ccw(c20.387,11.165) 20.815,7.959 ; 19.565,10.269 19.615,10.269

## Polygon pours and split planes (outlines as drawn)
GND on TOP "TOP_GND" (solid, remove dead copper, pour order 10): 0.533,21.412 0.533,0.406 24.536,0.406 24.536,21.412
+VCC_DBGUP on L4 "+VCC_DBGUP" (solid, remove dead copper, pour order 20): 27,24.994 27,21.666 27,0.025 50.013,0.025 50.013,24.994
3V3 on L4 "L4_3V3" (solid, remove dead copper, pour order 16): 0.025,0.025 0.025,24.994 0.076,24.994 24.994,24.994 24.994,24.943 24.994,0.025
GND on L2 "L2_GND" (solid, remove dead copper, pour order 30): 26.365,14.503 26.365,13.945 26.365,7.01 27,7.01 27,0.025 50.013,0.025 50.013,24.994 27,24.994 27,14.503
GND on L2 "L2_GND" (solid, remove dead copper, pour order 18): 0.025,24.994 0.025,0.025 24.994,0.025 24.994,24.994
GND on L5 "L5_GND" (solid, remove dead copper, pour order 24): 0.025,24.994 0.025,0.025 24.994,0.025 24.994,24.994
GND on BOTTOM "L5_GND" (solid, remove dead copper, pour order 28): 27,14.503 26.391,14.503 26.365,14.503 26.365,7.087 26.365,7.01 27,7.01 27,0.025 50.013,0.025 50.013,24.994 27,24.994
GND on Top Solder "TOP_Solder" (solid): 0.025,21.412 0.025,20.193 0.025,18.415 0.533,18.415 0.533,18.009 0.533,0.025 1.422,0.025 3.531,0.025 3.531,0.406 4.242,0.406 21.539,0.406 21.539,0.025 24.536,0.025 24.536,0.33 24.536,18.415 24.994,18.415 24.994,20.32 24.994,21.412 0.025,21.412

## Other copper
TOP:
  rectangle net GND: 0.025,18.415 0.533,21.412
  rectangle net GND: 24.536,18.415 24.994,21.412
  rectangle net GND: 0.533,0.025 3.531,0.406
  rectangle net GND: 21.539,0.025 24.536,0.406
  pour cut-out: 1.536,19.422 1.536,2.413 ccw(c2.524,2.41) 2.52,1.422 22.53,1.422 ccw(c22.53,2.413) 23.52,2.413 23.52,19.422 ccw(c22.533,19.419) 22.53,20.406 2.52,20.406 ccw(c2.52,19.422)
  region: 19.316,9.703 19.638,8.306 20.427,8.306 20.105,9.703
  pour cut-out: 19.516,11.336 19.516,12.479 16.341,12.479 16.341,11.336
  pour cut-out: 5.486,12.471 5.486,11.328 8.661,11.328 8.661,12.471
  region net NetDC1_2: 8.187,6.694 8.21,6.53 8.252,6.344 8.001,6.275 8.068,6.07 8.152,5.873 8.254,5.684 8.372,5.504 8.505,5.336 8.654,5.181 8.815,5.04 8.989,4.913 9.114,5.103 9.296,4.995 9.487,4.906 9.686,4.835 9.891,4.784 10.1,4.753 10.311,4.743 11.261,4.91 11.261,5.16 10.311,5.328 10.157,5.335 10.004,5.358 9.855,5.395 9.709,5.447 9.57,5.512 9.437,5.591 9.563,5.781 9.465,5.852 9.373,5.932 9.289,6.02 9.214,6.115 9.147,6.217 9.089,6.324 9.042,6.435 9.004,6.551 8.753,6.482 8.721,6.623 8.702,6.766 8.695,6.911 8.695,7.434 8.187,7.434
  region net NetDC2_2: 16.806,6.694 16.784,6.53 16.742,6.344 16.992,6.275 16.926,6.07 16.842,5.873 16.74,5.684 16.622,5.504 16.488,5.336 16.34,5.181 16.178,5.04 16.005,4.913 15.879,5.103 15.698,4.995 15.507,4.906 15.308,4.835 15.103,4.784 14.894,4.753 14.683,4.743 13.733,4.91 13.733,5.16 14.683,5.328 14.837,5.335 14.989,5.358 15.139,5.395 15.284,5.447 15.424,5.512 15.556,5.591 15.431,5.781 15.529,5.852 15.621,5.932 15.704,6.02 15.78,6.115 15.847,6.217 15.904,6.324 15.952,6.435 15.99,6.551 16.24,6.482 16.272,6.623 16.292,6.766 16.298,6.911 16.298,7.434 16.806,7.434
L4:
  pour cut-out: 11.094,5.621 11.097,5.618 11.097,4.454 13.889,4.454 13.893,4.458 13.891,4.46 13.891,5.619
BOTTOM:
  region net RF_RX: 218 vertices and 0 holes, not listed, extent 15.142,1.432 21.112,21.902
  region net RF_TX: 218 vertices and 0 holes, not listed, extent 3.879,1.432 9.849,21.902

## Silkscreen, mask and mechanical layers (free items; w line width, h text height)
Top Overlay:
  drawing of 1903 lines, arcs and shapes, not listed
  text "S2GoL_V1.2" at 30.556,23.19 h1.27
  text "S2GoL_V1.2" at 1.016,21.59 h0.76
Top Solder:
  circle w0.254: c19.596,10.269 r0.269
  region: 19.516,12.479 16.595,12.479 16.595,11.336 19.516,11.336
  rectangle: 5.486,11.328 8.407,12.471
  region: 17.31,7.391 15.811,7.391 15.811,7.333 cw(c13.99,7.333) 15.278,6.045 14.991,5.758 cw(c13.907,6.842) 13.843,5.31 13.843,4.737 14.668,4.572 15.066,4.572 ccw(c15.066,6.74) 16.599,5.207 ccw(c14.882,6.924) 17.31,6.924
  region: 7.696,7.391 9.195,7.391 9.195,7.333 ccw(c11.016,7.333) 9.728,6.045 10.016,5.758 ccw(c11.1,6.842) 11.151,5.309 11.151,4.735 10.338,4.572 9.94,4.572 cw(c9.94,6.74) 8.407,5.207 cw(c10.124,6.924) 7.696,6.924
  pour cut-out: 1.536,19.422 1.536,2.413 ccw(c2.524,2.41) 2.52,1.422 22.53,1.422 ccw(c22.53,2.413) 23.52,2.413 23.52,19.422 ccw(c22.533,19.419) 22.53,20.406 2.52,20.406 ccw(c2.52,19.422)
  region: 19.316,9.703 19.638,8.306 20.427,8.306 20.105,9.703
  region: 17.31,14.249 15.811,14.249 15.811,7.391 17.31,7.391
  region: 9.195,14.249 7.696,14.249 7.696,7.391 9.195,7.391
  lines w0.2: 20.365,10.319 20.865,8.019
  lines w0.28: 20.165,10.369 20.315,10.319
  lines w0.35: 18.365,9.919 cw(c19.645,8.883) 18.967,10.383 ; 18.371,9.913 ccw(c19.193,9.309) 18.615,8.469 ; 18.615,8.459 ccw(c20.387,11.165) 20.815,7.959 ; 19.565,10.269 19.615,10.269
Bottom Solder:
  region: 11.1,22.476 11.1,0.581 1.626,0.581 1.626,22.476
  region: 13.894,22.454 13.894,0.559 23.368,0.559 23.368,22.454
OUTLINE:
  lines w0.025: 25.009,25.009 0.009,25.009 0.009,0.009 25.019,0.009 27,0.009 ; 25.019,25.009 27,25.009 ; 27.009,0.009 50.009,0.009 50.009,25.009 27.009,25.009 ; 25.019,1.321 25.019,7.01 27,7.01 27,1.321 25.019,1.321 ; 25.019,14.503 25.019,23.724 27,23.724 27,14.503 25.019,14.503